# Altium PCB SVPX_FMC_6U_SOM.PcbDoc (part 7 of 9) (continued)
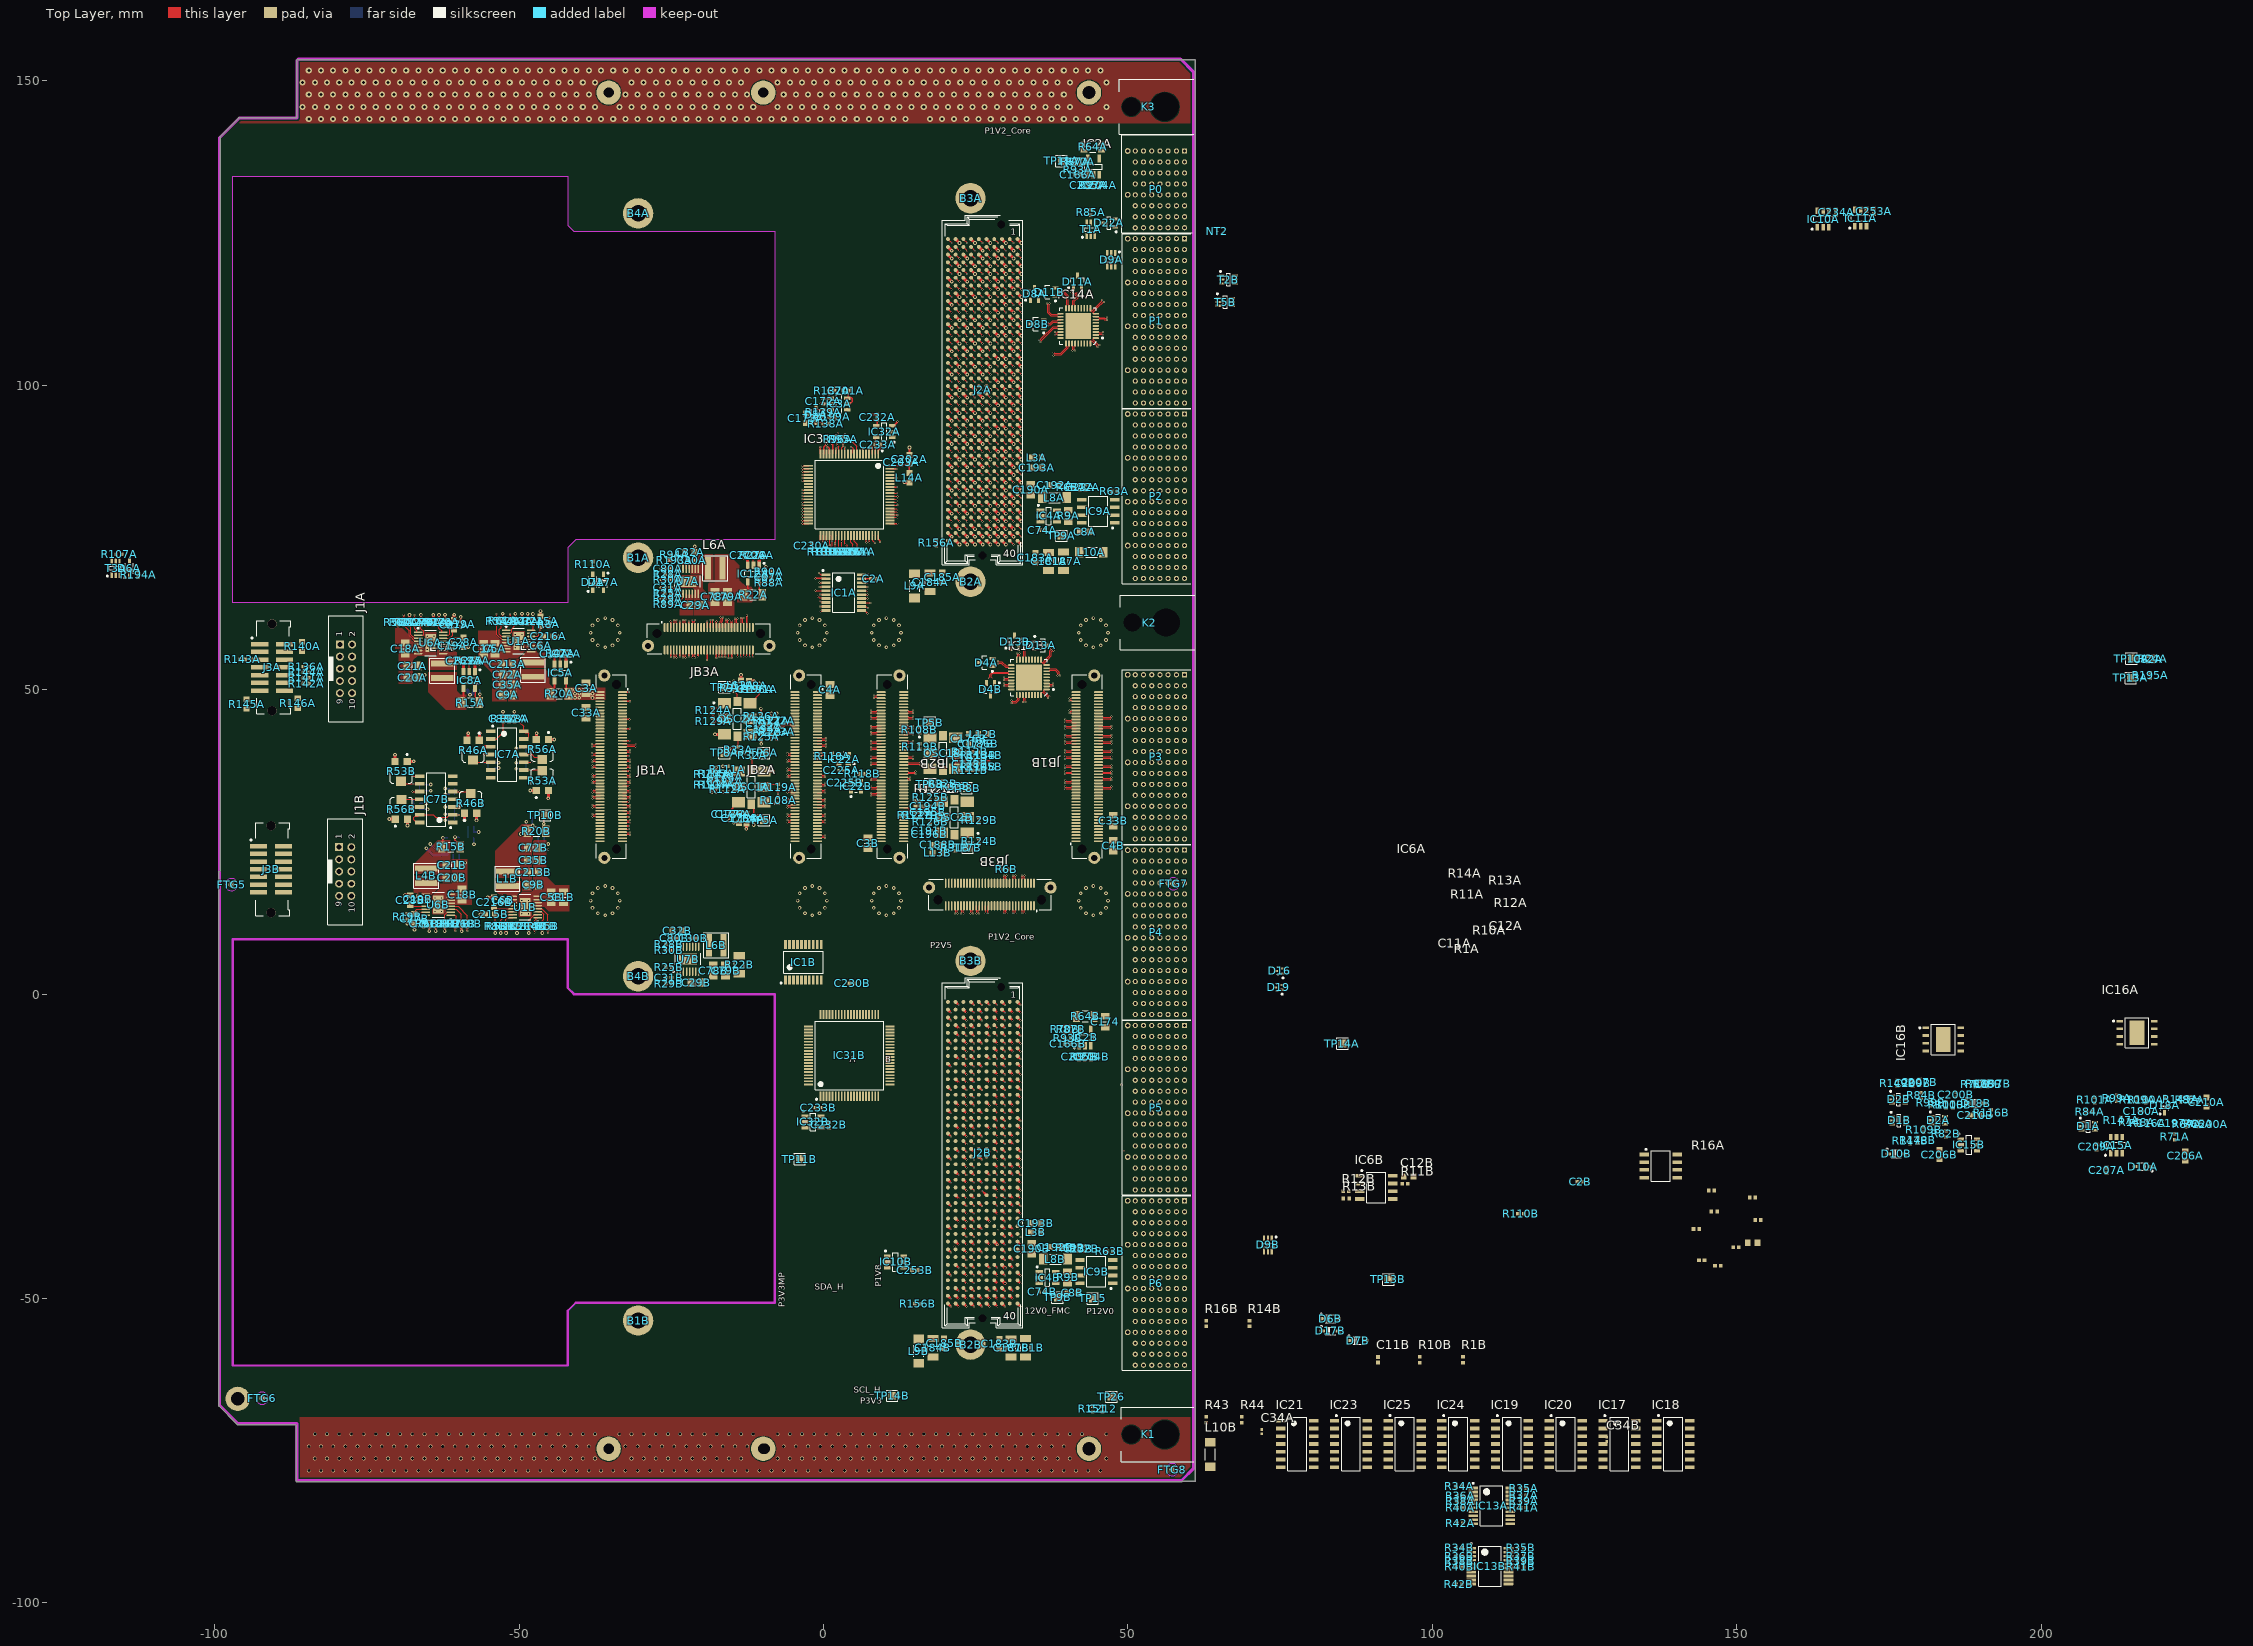
[diagram p0: Top Layer view]
## Nets (pads, with @x,y where several pads share a name; then routed paths per layer and width w, separated by ;. In a path a pad name is that pad's centre, name@x,y a point inside that pad or via, vN(x,y) a via of type N, cw(c..) or ccw(c..) an arc to the next point about the centre after c; other vN are vias at no path point) (continued)
  L1 w0.078: 8.594,64.236 10.718,64.236 13.614,67.132 13.614,69.5 13.748,69.634
LA31B_N: J2B.g34 JB2B.75 | length 105.1
  Top Layer w0.118: v1(7.772,43.64) 7.827,43.64 7.915,43.728 8.715,43.728 8.842,43.6 JB2B.75@9.475,43.6 ; J2B.g34@24.24,-43.198 v4(24.74,-43.698)
  L1 w0.069: v1(7.772,43.64) 7.838,43.64 7.938,43.74 8.431,43.74 8.856,43.315 8.856,30.644 3.083,24.87 3.083,5.522 5.486,3.119 5.486,-28.962 19.697,-43.173 24.7,-43.173 24.74,-43.213 v4(24.74,-43.698)
LA31B_P: J2B.g33 JB2B.77 | length 105.1
  Top Layer w0.118: v1(7.772,44.06) 7.827,44.06 7.915,43.972 8.715,43.972 8.842,44.1 JB2B.77@9.475,44.1 ; J2B.g33@24.24,-41.928 v4(24.74,-42.428)
  L1 w0.069: v1(7.772,44.06) 7.838,44.06 7.938,43.96 8.522,43.96 9.076,43.406 9.076,30.553 3.302,24.779 3.302,5.613 5.706,3.21 5.706,-28.871 19.788,-42.953 24.7,-42.953 24.74,-42.912 v4(24.74,-42.428)
LA32A_N: J2A.h38 JB2A.61 | length 63.4
  Top Layer w0.118: JB2A.61@-1,34.6 -0.367,34.6 -0.24,34.472 0.086,34.472 0.174,34.56 v1(0.228,34.56) ; J2A.h38@22.97,77.001 v1(23.605,76.366)
  L2 w0.069: v1(0.228,34.56) 0.294,34.56 0.394,34.46 1.033,34.46 1.991,35.417 1.991,47.457 8.398,53.864 10.405,53.864 16.662,60.122 16.662,76.383 18.691,78.412 23.889,78.412 24.267,78.033 24.267,77.119 24.039,76.892 23.646,76.892 23.605,76.851 v1(23.605,76.366)
LA32A_P: J2A.h37 JB2A.63 | length 62.7
  Top Layer w0.118: JB2A.63@-1,34.1 -0.367,34.1 -0.24,34.228 0.086,34.228 0.174,34.14 v1(0.228,34.14) ; J2A.h37@22.97,78.271 v1(23.605,77.636)
  L2 w0.069: v1(0.228,34.14) 0.294,34.14 0.394,34.24 1.124,34.24 2.21,35.326 2.21,47.366 8.489,53.645 10.495,53.645 16.882,60.031 16.882,76.292 18.782,78.192 23.798,78.192 24.048,77.942 24.048,77.21 23.948,77.111 23.646,77.111 23.605,77.151 v1(23.605,77.636)
LA32B_N: J2B.h38 JB2B.61 | length 106
  Top Layer w0.118: v1(7.772,40.14) 7.827,40.14 7.915,40.228 8.715,40.228 8.842,40.1 JB2B.61@9.475,40.1 ; J2B.h38@22.97,-48.278 v4(23.47,-48.778)
  L1 w0.069: 19.098,-48.161 19.189,-48.253 23.43,-48.253 23.47,-48.293 v4(23.47,-48.778)
  L2 w0.069: v1(7.772,40.14) 7.838,40.14 7.938,40.24 9.01,40.24 11.846,37.405 11.846,31.385 14.462,28.769 14.462,15.815 17.358,12.919 17.358,-46.09 19.52,-48.252 23.43,-48.252 23.47,-48.293 v4(23.47,-48.778)
LA32B_P: J2B.h37 JB2B.63 | length 105.8
  Top Layer w0.118: v1(7.772,40.56) 7.827,40.56 7.915,40.472 8.715,40.472 8.842,40.6 JB2B.63@9.475,40.6 ; J2B.h37@22.97,-47.008 v4(23.47,-47.508)
  L1 w0.069: 19.253,-48.006 19.28,-48.033 23.43,-48.033 23.47,-47.992 v4(23.47,-47.508)
  L2 w0.069: v1(7.772,40.56) 7.838,40.56 7.938,40.46 9.101,40.46 12.065,37.496 12.065,31.476 14.681,28.86 14.681,15.906 17.577,13.01 17.577,-45.999 19.611,-48.033 23.43,-48.033 23.47,-47.993 v4(23.47,-47.508)
LA33A_N: J2A.g37 JB2A.65 | length 64.5
  Top Layer w0.118: JB2A.65@-1,33.6 -0.367,33.6 -0.24,33.472 0.086,33.472 0.174,33.56 v1(0.228,33.56) ; J2A.g37@24.24,78.271 v1(24.875,77.636)
  L2 w0.069: v1(0.228,33.56) 0.294,33.56 0.394,33.46 1.659,33.46 2.753,34.553 2.753,47.152 8.525,52.924 10.633,52.924 17.551,59.842 17.551,75.215 18.197,75.86 25.162,75.86 25.432,76.13 25.432,76.662 ; v1(24.875,77.636) 24.875,78.121 24.916,78.162 25.242,78.162 25.432,77.972 25.432,77.34 ; 25.433,76.663 25.433,77.34
LA33A_P: J2A.g36 JB2A.67 | length 65.2
  Top Layer w0.118: JB2A.67@-1,33.1 -0.367,33.1 -0.24,33.228 0.086,33.228 0.174,33.14 v1(0.228,33.14) ; J2A.g36@24.24,79.541 v1(24.875,78.906)
  L2 w0.069: v1(0.228,33.14) 0.294,33.14 0.394,33.24 1.75,33.24 2.972,34.463 2.972,47.061 8.616,52.705 10.724,52.705 17.771,59.752 17.771,75.124 18.288,75.641 25.253,75.641 25.651,76.039 25.651,76.571 ; v1(24.875,78.906) 24.875,78.421 24.916,78.381 25.333,78.381 25.651,78.063 25.651,77.431 ; 25.652,76.572 25.652,77.43
LA33B_N: J2B.g37 JB2B.65 | length 107.9
  Top Layer w0.118: v1(7.772,41.14) 7.827,41.14 7.915,41.228 8.715,41.228 8.842,41.1 JB2B.65@9.475,41.1 ; J2B.g37@24.24,-47.008 v4(24.74,-47.508)
  L1 w0.069: 19.329,-46.983 24.7,-46.983 24.74,-47.023 v4(24.74,-47.508)
  L2 w0.069: v1(7.772,41.14) 7.838,41.14 7.938,41.24 9.645,41.24 12.506,38.379 12.506,32.02 15.427,29.099 15.427,16.424 18.45,13.402 18.45,-45.201 20.231,-46.982 24.7,-46.982 24.74,-47.023 v4(24.74,-47.508)
LA33B_P: J2B.g36 JB2B.67 | length 107.9
  Top Layer w0.118: v1(7.772,41.56) 7.827,41.56 7.915,41.472 8.715,41.472 8.842,41.6 JB2B.67@9.475,41.6 ; J2B.g36@24.24,-45.738 v4(24.74,-46.238)
  L1 w0.069: 19.329,-46.763 24.7,-46.763 24.74,-46.722 v4(24.74,-46.238)
  L2 w0.069: v1(7.772,41.56) 7.838,41.56 7.938,41.46 9.735,41.46 12.725,38.47 12.725,32.111 15.646,29.19 15.646,16.515 18.669,13.493 18.669,4.416 18.669,-45.11 20.322,-46.763 24.7,-46.763 24.74,-46.723 v4(24.74,-46.238)
LVDS_SW_SELA: IC14A.27 IC31B.12
LVDS_SW_SELB: IC14B.27 IC31A.12 | length 1.1
  Top Layer w0.127: IC31A.12@3.5,88.725 3.528,88.753 3.528,89.761 v1(3.556,89.789)
M_DCXOA_N: C182A.1 OSC1A.5 R112A.2 | length 3.8
  Top Layer w0.118: C182A.1@-15.774,34.85 -15.484,35.141 -14.57,35.141 -14.543,35.168 -14.035,35.168 -13.966,35.099 OSC1A.5@-13.966,34.02 ; R112A.2@-15.773,34.074 C182A.1@-15.774,34.85
M_DCXOA_P: C178A.1 OSC1A.4 R111A.2 | length 3.9
  Top Layer w0.118: C178A.1@-15.774,35.675 -15.484,35.385 -14.672,35.385 -14.645,35.413 -14.035,35.413 -13.966,35.482 OSC1A.4@-13.966,36.56 ; C178A.1@-15.774,35.675 R111A.2@-15.773,36.487
M_DCXOB_N: C182B.1 OSC1B.5 R112B.2 | length 4.2
  Top Layer w0.118: OSC1B.5@21.725,39.575 21.725,38.496 21.794,38.427 22.757,38.427 22.787,38.397 23.255,38.397 23.324,38.466 23.324,38.524 C182B.1@23.575,38.775 23.555,38.795 R112B.2@23.555,39.775
M_DCXOB_P: C178B.1 OSC1B.4 R111B.2 | length 4.2
  Top Layer w0.118: OSC1B.4@21.725,37.035 21.725,38.114 21.794,38.183 22.656,38.183 22.686,38.153 23.255,38.153 23.324,38.084 23.324,38.026 C178B.1@23.575,37.775 23.555,37.755 R111B.2@23.555,36.775
Main_DCXO_OEA: JB3A.54 R108A.1 R119A.1 | length 2.3
  Top Layer w0.127: v1(-13.1,55.397) JB3A.54@-13.1,56.5 ; R108A.1@-7.468,32.296 v1(-7.468,32.893) R119A.1@-7.468,33.515
Main_DCXO_OEB: JB3B.54 R108B.1 R119B.1
Main_DCXO_SCLA: JB3A.52 OSC1A.8 R32A.1 R103A.1 TP6A.1 | length 5.3
  Top Layer w0.127: JB3A.52@-13.6,56.5 -13.58,56.48 -13.58,55.417 v1(-13.56,55.397) ; OSC1A.8@-11.866,36.873 -11.725,37.014 R32A.1@-11.725,38.68 ; R32A.1@-11.735,38.748 -10.619,38.748 TP6A.1@-9.766,39.6
Main_DCXO_SCLB: JB3B.52 OSC1B.8 R32B.1 R103B.1 TP6B.1
Main_DCXO_SDAA: JB3A.50 OSC1A.7 R6A.1 R98A.1 TP5A.1 | length 5.1
  Top Layer w0.127: v1(-14.14,55.397) -14.12,55.417 -14.12,56.48 JB3A.50@-14.1,56.5
  Top Layer w0.254: OSC1A.7@-11.866,31.168 -11.45,30.752 R6A.1@-11.45,29.37 -10.581,29.37 TP5A.1@-9.766,28.555
Main_DCXO_SDAB: JB3B.50 OSC1B.7 R6B.1 R98B.1 TP5B.1
Main_DCXOA_N: C182A.2 JB2A.58 R104A.1 R113A.2 | length 17.8
  Top Layer w0.118: v1(-19.075,35.043) -19.021,35.043 -18.933,35.131 -18.654,35.131 -18.369,34.845 R113A.2@-18.349,34.845 -18.329,34.845 -18.061,35.114 -18.061,35.131 -17.862,35.131 -17.862,35.119 -17.594,34.85 R104A.1@-17.574,34.85 -17.554,34.85 -17.261,35.143 -16.967,35.143 C182A.2@-16.674,34.85 ; v1(-5.893,35.64) -5.838,35.64 -5.75,35.728 -5.46,35.728 -5.333,35.6 JB2A.58@-4.7,35.6
  L4 w0.078: v1(-19.075,35.043) -19.01,35.043 -18.914,35.139 -15.458,35.139 -14.861,35.736 -6.054,35.736 -5.958,35.64 v1(-5.893,35.64)
Main_DCXOA_P: C178A.2 JB2A.56 R105A.1 R114A.2 | length 17.9
  Top Layer w0.118: v1(-19.075,35.463) -19.021,35.463 -18.933,35.375 -18.654,35.375 -18.369,35.66 R114A.2@-18.349,35.66 -18.329,35.66 -18.061,35.392 -18.061,35.375 -17.862,35.375 -17.825,35.413 -17.825,35.449 -17.594,35.68 R105A.1@-17.574,35.68 -17.554,35.68 -17.261,35.388 -16.962,35.388 C178A.2@-16.674,35.675 ; v1(-5.893,36.06) -5.838,36.06 -5.75,35.972 -5.46,35.972 -5.333,36.1 JB2A.56@-4.7,36.1
  L4 w0.078: v1(-19.075,35.463) -19.01,35.463 -18.914,35.367 -15.552,35.367 -14.955,35.964 -6.054,35.964 -5.958,36.06 v1(-5.893,36.06)
Main_DCXOB_N: C182B.2 JB2B.58 R104B.1 R113B.2 | length 18.4
  Top Layer w0.118: JB2B.58@13.175,39.1 13.808,39.1 13.935,38.972 14.102,38.972 14.539,38.972 14.626,39.06 v1(14.681,39.06) ; C182B.2@24.475,38.775 24.726,38.524 24.726,38.466 24.795,38.397 25.13,38.397 25.199,38.466 25.199,38.524 25.43,38.755 R113B.2@25.45,38.755 25.47,38.755 25.701,38.524 25.701,38.466 25.77,38.397 26.105,38.397 26.174,38.466 26.174,38.524 26.405,38.755 R104B.1@26.425,38.755 26.445,38.755 26.676,38.524 26.676,38.466 26.745,38.397 27.188,38.397 27.276,38.485 v1(27.33,38.485)
  L4 w0.078: v1(14.681,39.06) 14.747,39.06 14.842,38.964 20.134,38.964 20.709,38.389 27.169,38.389 27.265,38.485 v1(27.33,38.485)
Main_DCXOB_P: C178B.2 JB2B.56 R105B.1 R114B.2 | length 18.4
  Top Layer w0.118: JB2B.56@13.175,38.6 13.808,38.6 13.935,38.728 14.203,38.728 14.539,38.728 14.626,38.64 v1(14.681,38.64) ; C178B.2@24.475,37.775 24.726,38.026 24.726,38.084 24.795,38.153 25.13,38.153 25.199,38.084 25.199,38.026 25.43,37.795 R114B.2@25.45,37.795 25.47,37.795 25.701,38.026 25.701,38.084 25.77,38.153 26.105,38.153 26.174,38.084 26.174,38.026 26.405,37.795 R105B.1@26.425,37.795 26.445,37.795 26.676,38.026 26.676,38.084 26.745,38.153 27.188,38.153 27.276,38.065 v1(27.33,38.065)
  L4 w0.078: v1(14.681,38.64) 14.747,38.64 14.842,38.736 20.04,38.736 20.615,38.161 27.169,38.161 27.265,38.065 v1(27.33,38.065)
MAIN_PWR.P2V5A: C2A.1 C33A.1 C225A.2 IC1A.19 IC8A.5 IC13A.2 IC22A.1 IC22A.4 JB1A.10 JB1A.12 JB2A.2 JB2A.4 JB2A.6 JB2A.8 JB2A.10 L9A.1 R6A.2 R15A.2 R31A.2 R32A.2 R33A.2 R34A.1 R36A.1 R38A.1 R40A.1 R79A.1 R104A.2 R105A.2 R122A.2 R123A.2 TP13A.1 | length 13.4
  Top Layer w0.254: IC8A.5@-57.225,50.212 -57.225,48.826 -57.076,48.677 -57.012,48.677 -56.514,48.179 R15A.2@-56.514,47.879 -56.439,47.954 v2(-56.439,49.251) ; v2(-17.602,33.172) -17.588,33.186 -17.588,33.896 R104A.2@-17.574,33.91 ; v2(-17.602,37.262) -17.602,36.649 R105A.2@-17.574,36.62 ; v2(-14.757,51.384) -14.704,51.331 -14.704,50.724 R31A.2@-14.65,50.67 ; R33A.2@-14.021,39.687 v2(-12.941,39.687) ; v2@-12.941,39.688 R32A.2@-11.735,39.688 ; v2(-11.481,27.762) -11.465,27.778 -11.465,28.415 R6A.2@-11.45,28.43 ; R123A.2@-7.7,42.58 -7.698,42.578 -7.698,41.886 v2(-7.696,41.885) ; R122A.2@-7.7,45.345 -7.698,45.347 v2(-7.696,46.101) v2(-7.696,46.101) ; IC1A.19@6.212,68.205 C2A.1@7.762,68.205 7.754,68.197 7.754,67.724 v1(7.747,67.716)
  Bottom Layer w0.254: v2(-56.439,49.251) R79A.1@-56.439,49.949
MAIN_PWR.P2V5B: C2B.1 C33B.1 C225B.2 IC1B.19 IC8B.5 IC13B.2 IC22B.1 IC22B.4 JB1B.10 JB1B.12 JB2B.2 JB2B.4 JB2B.6 JB2B.8 JB2B.10 L9B.1 R6B.2 R15B.2 R31B.2 R32B.2 R33B.2 R34B.1 R36B.1 R38B.1 R40B.1 R79B.1 R104B.2 R105B.2 R122B.2 R123B.2 TP13B.1 | length 3.8
  Top Layer w0.254: v2(-60.528,25.781) -60.528,25.295 -59.689,24.455 R15B.2@-59.689,24.155
  Bottom Layer w0.254: v2(-60.528,25.781) -59.93,25.781 IC8B.5@-59.832,25.683 ; R79B.1@-57.417,25.705 -57.417,24.625 v2(-57.404,24.613)
MAIN_PWR.P3V3A: C34B.1 D1A.5 D2A.5 IC12A.5 IC14B.35 IC17.5 IC17.6 IC17.12 IC17.13 IC19.5 IC19.6 IC19.12 IC19.13 IC21.5 IC21.6 IC21.12 IC21.13 IC24.5 IC24.13 JB1A.14 JB1A.16 JB2A.9 JB2A.11 L3A.1 L10A.1 L12A.1 L13A.1 R14A.2 R16A.2 R22A.2 R35A.2 R37A.2 R39A.2 R41A.2 R42A.2 R43.2 R81A.1 R83A.1 R86A.1 R88A.2 R110A.2 R116A.2 TP14A.1 | length 5.2
  Top Layer w0.254: IC12A.5@-10.55,67.7 IC12A.5@-10.55,67.55 ; R22A.2@-10.075,65.575 -10.55,66.05 IC12A.5@-10.55,67.55 ; R88A.2@-9.47,67.55 IC12A.5@-10.55,67.55
  Top Layer w0.5: L13A.1@-13.575,51.5 -13.556,51.518 -13.556,52.407 v2(-13.538,52.426) ; v2@-12.674,27.127 L12A.1@-12.674,28
  other v2: -12.675,27.127
MAIN_PWR.P3V3B: C34A.1 D1B.5 D2B.5 IC12B.5 IC14A.35 IC18.5 IC18.6 IC18.12 IC18.13 IC20.5 IC20.6 IC20.12 IC20.13 IC23.5 IC23.6 IC23.12 IC23.13 IC25.5 IC25.13 JB1B.14 JB1B.16 JB2B.9 JB2B.11 L3B.1 L10B.1 L12B.1 L13B.1 R14B.2 R16B.2 R22B.2 R35B.2 R37B.2 R39B.2 R41B.2 R42B.2 R44.2 R81B.1 R83B.1 R86B.1 R88B.2 R110B.2 R116B.2 TP14B.1
  other v4: 28.625,-38.775
MAIN_PWR.P3V3MPA: C201A.2 C230A.1 C232A.2 C234A.2 C253A.2 D9A.5 IC1A.2 IC2A.5 IC3A.5 IC3A.6 IC10A.4 IC11A.4 IC13A.19 IC31A.20 IC31A.40 IC31A.61 IC32A.3 IC32A.4 L14A.1 R11A.1 R64A.2 R70A.2 R87A.1 R95A.2 R96A.2 R130A.2 R131A.2 R132A.2 R133A.2 R134A.2 R135A.2 R137A.2 R138A.2 R139A.2 R140A.2 R160A.1 R161A.1 TP11A.1 | length 16
  Top Layer w0.254: v1(-3.48,77.267) -3.476,77.271 -2.454,77.271 IC31A.40@-2.45,77.275 ; v1(-1.346,68.275) -1.334,68.263 0.354,68.263 IC1A.2@0.412,68.205 ; v1(-0.508,89.865) -0.504,89.861 -0.504,88.729 IC31A.20@-0.5,88.725 ; v1(-0.127,94.539) -0.114,94.551 -0.114,94.941 R139A.2@0,95.055 ; R138A.2@0.87,93.675 v1(1.473,93.675) ; R137A.2@1.845,99.1 1.854,99.109 v1(1.854,99.67) ; v1(2.337,92.126) 2.349,92.113 2.349,91.567 R96A.2@2.362,91.554 ; R95A.2@3.251,91.554 3.271,91.554 3.434,91.717 3.434,91.91 3.531,92.006 v1(3.531,92.024) ; IC3A.5@3.88,96.93 4.053,97.103 4.52,97.103 4.75,97.333 4.75,97.807 4.601,97.956 IC3A.6@4.003,97.956 ; IC3A.6@3.88,97.88 3.956,97.956 IC3A.6@4.003,97.956 ; v1(4.572,99.466) 4.559,99.454 4.429,99.454 C201A.2@4.1,99.125 4.1,98.053 IC3A.6@4.003,97.956 ; v1(8.28,94.285) 8.29,94.276 8.83,94.276 C232A.2@8.839,94.267 8.839,93.487 IC32A.4@8.682,93.33 ; IC31A.61@10.95,77.275 10.971,77.254 12.129,77.254 v1(12.141,77.241) ; IC32A.3@11.282,93.33 11.532,93.33 12.129,93.926 12.129,94.018 v1(12.141,94.031)
  Top Layer w0.5: v2(13.284,84.074) 13.303,84.055 14.045,84.055 L14A.1@14.1,84
MAIN_PWR.P3V3MPB: C201B.2 C230B.1 C232B.2 C234B.2 C253B.2 D9B.5 IC1B.2 IC2B.5 IC3B.5 IC3B.6 IC10B.4 IC11B.4 IC13B.19 IC31B.20 IC31B.40 IC31B.61 IC32B.3 IC32B.4 L14B.1 R11B.1 R64B.2 R70B.2 R87B.1 R95B.2 R96B.2 R130B.2 R131B.2 R132B.2 R133B.2 R134B.2 R135B.2 R137B.2 R138B.2 R139B.2 R140B.2 R160B.1 R161B.1 TP11B.1
MAIN_PWR.P5V0A: C3A.1 C4A.2 C209A.2 IC5A.5 IC15A.5 IC15A.6 JB1A.2 JB1A.4 JB1A.6 JB2A.1 JB2A.3 JB2A.5 JB2A.7 R20A.2 R24A.2 R147A.2 R148A.2 R149A.2 TP10A.1 | length 2.3
  Top Layer w0.254: IC5A.5@-42.281,51.457 -42.281,49.732 R20A.2@-41.875,49.326
  other v2: -37.928,48.641 -40.818,48.666 -40.107,48.666 -40.818,49.327 -40.107,49.327 -37.928,49.327 -40.818,49.987 -40.107,49.987 -37.928,49.987
MAIN_PWR.P5V0B: C3B.1 C4B.2 C209B.2 IC5B.5 IC15B.5 IC15B.6 JB1B.2 JB1B.4 JB1B.6 JB2B.1 JB2B.3 JB2B.5 JB2B.7 R20B.2 R24B.2 R147B.2 R148B.2 R149B.2 TP10B.1 | length 3.8
  Top Layer w0.254: TP10B.1@-45.695,29.362 -45.949,29.108 v2(-45.949,27.965) -45.949,27.027 R20B.2@-45.642,26.721
  Bottom Layer w0.254: v2(-45.949,27.965) -45.933,27.981 -45.933,28.908 IC5B.5@-45.917,28.924
MAIN_PWR_ONA: IC6A.4 R13A.2
MAIN_PWR_ONB: IC6B.4 R13B.2
"Maskable Reset*_13": P1.G15
MCU_SPI.MISOA: IC1A.1 IC31A.66 | length 21.6
  Top Layer w0.127: v1(-0.711,69.139) -0.463,68.891 0.376,68.891 IC1A.1@0.412,68.855 ; IC31A.66@10.95,79.775 11.02,79.705 v1(12.116,79.705)
  L3 w0.127: v1(-0.711,69.139) 4.928,69.139 11.163,75.374 11.163,78.753 v1(12.116,79.705)
MCU_SPI.MISOB: IC1B.1 IC31B.66
MCU_SPI.MOSIA: IC1A.3 IC31A.65 | length 21.9
  Top Layer w0.127: v1(-0.635,67.589) 0.377,67.589 IC1A.3@0.412,67.555 ; IC31A.65@10.95,79.275 10.977,79.248 v1(12.116,79.248)
  L3 w0.127: v1(-0.635,67.589) 3.962,67.589 11.612,75.239 11.612,78.783 11.73,78.919 11.732,78.921 11.738,78.928 11.746,78.936 v1(12.116,79.248)
MCU_SPI.MOSIB: IC1B.3 IC31B.65
MCU_SPI.SCKA: IC1A.4 IC31A.67 | length 23.8
  Top Layer w0.127: v1(-0.635,66.878) 0.385,66.878 IC1A.4@0.412,66.905 ; IC31A.67@10.95,80.275 10.97,80.295 12.121,80.295 v1(12.141,80.315)
  L3 w0.127: v1(-0.635,66.878) 3.734,66.878 12.465,75.609 12.465,79.991 v1(12.141,80.315)
MCU_SPI.SCKB: IC1B.4 IC31B.67
MCU_SPI.SSA: IC1A.5 IC31A.68 | length 26.6
  Top Layer w0.086: IC31A.68@10.95,80.775 10.978,80.747 v1(12.116,80.747)
  Top Layer w0.127: v1(-1.321,66.269) 0.324,66.269 0.375,66.218 IC1A.5@0.412,66.255
  L3 w0.127: v1(-1.321,66.269) 3.607,66.269 12.929,75.59 12.929,79.985 12.167,80.747 v1(12.116,80.747)
MCU_SPI.SSB: IC1B.5 IC31B.68
MISC.PG_C2MA: J2A.d1 JB1A.91 | length 1.9
  Top Layer w0.127: JB1A.91@-33,27.1 -32.999,27.101 v1(-31.979,27.102) v1(-31.979,27.102) ; J2A.d1@28.05,123.991 v1(28.685,123.356)
MISC.PG_C2MB: J2B.d1 JB1B.91 | length 0.7
  Top Layer w0.254: J2B.d1@28.05,-1.288 v4(28.55,-1.788)
MISC.PG_M2CA: J2A.f1 JB1A.99 | length 0.9
  Top Layer w0.127: J2A.f1@25.51,123.991 v1(26.145,123.356)
MISC.PG_M2CB: J2B.f1 JB1B.99 | length 0.7
  Top Layer w0.254: J2B.f1@25.51,-1.288 v4(26.01,-1.788)
MISC.PRSNT_M2C_LA: JB1A.97
MISC.PRSNT_M2C_LB: JB1B.97
MISC.PRSNTA: J2A.h2 | length 0.9
  Top Layer w0.127: J2A.h2@22.97,122.721 v1(23.605,122.086)
MISC.PRSNTB: J2B.h2 | length 0.7
  Top Layer w0.254: J2B.h2@22.97,-2.558 v4(23.47,-3.058)
NetC6A_1: C6A.1 U1A.12 | length 1.6
  Top Layer w0.127: U1A.12@-48.009,57.728 -46.534,57.728 C6A.1@-46.434,57.628
NetC6A_2: C6A.2 L1A.1 U1A.9 U1A.10 U1A.11
NetC6B_1: C6B.1 U1B.12 | length 1.8
  Top Layer w0.127: C6B.1@-52.705,14.968 -52.267,14.53 U1B.12@-51.05,14.53
NetC6B_2: C6B.2 L1B.1 U1B.9 U1B.10 U1B.11
NetC7A_1: C7A.1 R2A.1 R7A.2 U1A.16 | length 3.1
  Top Layer w0.127: R7A.2@-49.509,60.758 R2A.1@-47.709,60.758 -47.709,60.028 -47.768,59.97 -47.768,59.785 -47.825,59.728 U1A.16@-48.009,59.728
NetC7B_1: C7B.1 R2B.1 R7B.2 U1B.16 | length 3.7
  Top Layer w0.127: U1B.16@-51.05,12.53 -51.935,12.53 -52.146,12.319 R2B.1@-52.146,11.646 R7B.2@-50.343,11.646
NetC8A_2: C8A.2 IC4A.4 IC9A.8 R9A.1 TP9A.1
NetC8B_2: C8B.2 IC4B.4 IC9B.8 R9B.1 TP9B.1
NetC19A_1: C19A.1 U6A.12 | length 1.6
  Top Layer w0.127: U6A.12@-62.476,57.427 -61.173,57.427 C19A.1@-60.95,57.65
NetC19A_2: C19A.2 L4A.1 U6A.9 U6A.10 U6A.11
NetC19B_1: C19B.1 U6B.12 | length 1.4
  Top Layer w0.127: C19B.1@-66.617,15.152 -66.392,14.927 U6B.12@-65.317,14.927
NetC19B_2: C19B.2 L4B.1 U6B.9 U6B.10 U6B.11
NetC20A_2: C20A.2 C21A.2 C76A.2 IC8A.4 L4A.2 R15A.1 R91A.2 | length 14.2
  Top Layer w0.254: C76A.2@-65.125,61.525 -65.105,61.545 R91A.2@-64.077,61.545 ; IC8A.4@-59.125,50.212 -59.125,48.939 -59.08,48.895
  Top Layer w0.5: v2(-64.084,62.281) -64.079,62.275 R91A.2@-64.077,61.545 R91A.2@-64.077,61.545
  L1 w0.5: v2(-65.507,52.4) -65.483,52.4 -65.456,52.427 -65.532,52.503 -65.532,53.924 -66.218,54.61 -66.218,59.157 -64.084,61.29 v2(-64.084,62.281)
NetC20B_2: C20B.2 C21B.2 C76B.2 IC8B.4 L4B.2 R15B.1 R91B.2 | length 4.1
  Top Layer w0.254: C76B.2@-65.667,11.077 -65.647,11.057 R91B.2@-64.692,11.057 -64.718,11.031 -64.718,10.364 v2(-64.745,10.338) ; R15B.1@-62.689,24.155 -62.509,24.335 v2(-62.509,25.654)
  Bottom Layer w0.254: v2@-62.509,25.654 -61.761,25.654 IC8B.4@-61.732,25.683
NetC24A_2: C24A.2 U6A.2 | length 2.7
  Top Layer w0.127: U6A.2@-66.576,58.927 -65.762,58.927 -65.687,59.002 -65.687,59.566 -66.125,60.004 C24A.2@-66.125,60.625
NetC24B_2: C24B.2 U6B.2 | length 2.2
  Top Layer w0.127: C24B.2@-62.217,11.977 -62.217,13.018 -61.807,13.427 U6B.2@-61.217,13.427
NetC27A_2: C27A.2 R19A.1 U6A.14 | length 4.1
  Top Layer w0.127: U6A.14@-62.476,58.427 -61.425,58.427 -60.925,58.927 -60.925,59.636 C27A.2@-60.681,59.881 -60.304,60.257 R19A.1@-59.575,60.257
NetC27B_2: C27B.2 R19B.1 U6B.14 | length 3.7
  Top Layer w0.127: R19B.1@-68.402,13.424 -68.176,13.197 -68.109,13.197 -68.081,13.17 C27B.2@-67.208,13.17 -66.986,13.393 -66.986,13.761 -66.819,13.927 U6B.14@-65.317,13.927
NetC28A_2: C28A.2 U6A.13 | length 3.6
  Top Layer w0.127: U6A.13@-62.476,57.927 -61.559,57.927 -61.338,58.148 -61.046,58.148 -60.619,58.575 C28A.2@-59.15,58.575
NetC28B_2: C28B.2 U6B.13 | length 2.6
  Top Layer w0.127: C28B.2@-67.867,14.627 -67.667,14.427 U6B.13@-65.317,14.427
NetC30A_1: C30A.1 U7A.12 | length 1.4
  Top Layer w0.203: C30A.1@-22.1,71.25 -22.075,71.225 U7A.12@-22.075,69.825
NetC30A_2: C30A.2 L6A.1 U7A.9 U7A.10 U7A.11
NetC30B_1: C30B.1 U7B.12
NetC30B_2: C30B.2 L6B.1 U7B.9 U7B.10 U7B.11
NetC31A_2: C31A.2 U7A.2 | length 2.3
  Top Layer w0.203: C31A.2@-25.125,66.725 -25.052,66.652 -23.929,66.652 -23.723,66.446 -23.723,66.442 -23.575,66.294 U7A.2@-23.575,65.725
NetC31B_2: C31B.2 U7B.2
NetC32A_2: C32A.2 U7A.13 | length 2.8
  Top Layer w0.203: C32A.2@-22.775,72.57 -22.637,72.432 -22.637,70.474 -22.575,70.413 U7A.13@-22.575,69.825
NetC32B_2: C32B.2 U7B.13
NetC76A_1: C76A.1 R18A.2 R91A.1 U6A.16 | length 3.5
  Top Layer w0.127: C76A.1@-65.125,60.625 -64.097,60.625 R91A.1@-64.077,60.605 R18A.2@-63.15,60.605 -63.15,60.102 -62.717,59.668 -62.717,59.484 -62.66,59.427 U6A.16@-62.476,59.427
NetC76B_1: C76B.1 R18B.2 R91B.1 U6B.16 | length 3.2
  Top Layer w0.127: U6B.16@-65.317,12.927 -65.501,12.927 -65.558,12.871 -65.558,12.686 -65.667,12.577 C76B.1@-65.667,11.977 -65.647,11.997 R91B.1@-64.692,11.997 R18B.2@-63.717,11.997
NetC80A_1: C80A.1 R28A.1 R30A.2 U7A.16 | length 3.6
  Top Layer w0.203: C80A.1@-25.1,69.875 -25.08,69.855 R28A.1@-25.08,68.975 ; R30A.2@-25.08,68.05 R28A.1@-25.08,68.975 ; U7A.16@-24.075,69.825 -24.084,69.816 -24.084,69.094 -24.203,68.975 R28A.1@-25.08,68.975
NetC80B_1: C80B.1 R28B.1 R30B.2 U7B.16
NetC173A_1: C173A.1 D5A.1 R138A.1 | length 2.9
  Top Layer w0.127: C173A.1@-2.875,93.825 -1.3,93.825 D5A.1@-1.25,93.875 -0.27,93.875 R138A.1@-0.07,93.675
NetC173B_1: C173B.1 D5B.1 R138B.1
NetC175A_2: C175A.2 R86A.2 R98A.2 R103A.2 R120A.2 R121A.2
NetC175B_2: C175B.2 R86B.2 R98B.2 R103B.2 R120B.2 R121B.2
NetC176A_2: C176A.2 C177A.2 C186A.2 L12A.2 OSC1A.6 | length 5.3
  Top Layer w0.254: OSC1A.6@-13.966,31.48 -14.191,31.48 -14.914,30.757 -14.914,30.532 -15.376,30.07 -15.376,29.923 C177A.2@-15.449,29.85 C186A.2@-14.824,29.85 -14.824,29.825 -14.751,29.752 -14.726,29.752 -14.601,29.627 -13.901,29.627 C176A.2@-13.874,29.6 L12A.2@-12.674,29.6
NetC176B_2: C176B.2 C177B.2 C186B.2 L12B.2 OSC1B.6
NetC188A_2: C188A.2 C191A.2 C196A.2 L13A.2 OSC2A.6 | length 5.8
  Top Layer w0.254: L13A.2@-13.575,49.9 -12.25,49.9 C188A.2@-12.225,49.925 -12.025,49.725 C196A.2@-11.2,49.725 C191A.2@-10.575,49.725 -10.575,49.211 -11.092,48.693 -11.092,48.468 -11.815,47.745 OSC2A.6@-12.04,47.745
NetC188B_2: C188B.2 C191B.2 C196B.2 L13B.2 OSC2B.6
NetC199A_2: C199A.2 D5A.2 IC3A.3 R139A.1 | length 4
  Top Layer w0.127: D5A.2@-1.25,96.475 -1.25,96.275 -1.064,96.088 -0.594,96.088 -0.5,95.995 R139A.1@0,95.995 0.015,95.98 IC3A.3@1.18,95.98 1.18,95.005 C199A.2@0.975,94.8
NetC199B_2: C199B.2 D5B.2 IC3B.3 R139B.1
NetC202A_2: C202A.2 C203A.2 IC31A.80 L14A.2 | length 4.7
  Top Layer w0.254: IC31A.80@10.95,86.775 10.973,86.798 12.648,86.798 C203A.2@12.775,86.925 13.975,86.925 C202A.2@14.1,87.05 L14A.2@14.1,85.6
NetC202B_2: C202B.2 C203B.2 IC31B.80 L14B.2
NetC206A_1: C206A.1 D10A.1 R147A.1
NetC206B_1: C206B.1 D10B.1 R147B.1
NetC207A_2: C207A.2 D10A.2 D18A.2 IC15A.3 R148A.1
NetC207B_2: C207B.2 D10B.2 D18B.2 IC15B.3 R148B.1
NetC210A_1: C210A.1 D18A.1 R149A.1
NetC210B_1: C210B.1 D18B.1 R149B.1
NetC214A_2: C214A.2 U1A.2 | length 2.6
  Top Layer w0.127: U1A.2@-52.109,59.228 -51.501,59.228 -51.439,59.29 -51.429,59.29 -51.221,59.498 -51.221,59.93 -50.773,60.377 -50.773,60.639 C214A.2@-50.609,60.803
NetC214B_2: C214B.2 U1B.2 | length 2.3
  Top Layer w0.127: C214B.2@-48.387,11.601 -48.387,12.141 -47.498,13.03 U1B.2@-46.95,13.03
NetC215A_2: C215A.2 R8A.1 U1A.14 | length 4.4
  Top Layer w0.127: U1A.14@-48.009,58.728 -46.961,58.728 -46.768,58.921 -46.768,59.404 -46.533,59.639 -46.533,60.38 C215A.2@-46.484,60.428 -45.304,60.428 R8A.1@-45.109,60.233
NetC215B_2: C215B.2 R8B.1 U1B.14 | length 4.5
  Top Layer w0.127: C215B.2@-53.937,13.081 C215B.2@-53.835,12.979 ; R8B.1@-53.899,11.621 -53.899,12.916 C215B.2@-53.835,12.979 ; U1B.14@-51.05,13.53 -52.408,13.53 -52.959,12.979 C215B.2@-53.835,12.979
NetC216A_2: C216A.2 U1A.13 | length 2.2
  Top Layer w0.127: U1A.13@-48.009,58.228 -46.484,58.228 -46.421,58.292 -46.396,58.292 -45.984,58.703 C216A.2@-45.984,58.728
NetC216B_2: C216B.2 U1B.13 | length 3.2
  Top Layer w0.127: C216B.2@-54.102,14.288 -53.844,14.03 U1B.13@-51.05,14.03
NetD4A_3: D4A.3 T5A.6
NetD4B_3: D4B.3 T5B.6
NetD6A_2: D6A.2 D7A.1 D17A.2 R107A.2 T3A.5
NetD6B_2: D6B.2 D7B.1 D17B.2 R107B.2 T3B.5
NetD8A_3: D8A.3 T2A.6
NetD8B_3: D8B.3 T2B.6
NetD11A_3: D11A.3 T5A.3
NetD11B_3: D11B.3 T5B.3
NetD13A_3: D13A.3 T2A.3
NetD13B_3: D13B.3 T2B.3
NetD20A_1: D20A.1 J3A.13 R145A.1
NetD20A_2: D20A.2 J3A.14 R146A.1
NetD20B_1: D20B.1 J3B.13 R145B.1
NetD20B_2: D20B.2 J3B.14 R146B.1
NetD22A_3: D22A.3 T1A.6
NetD22B_3: D22B.3 T1B.6
NetD23A_3: D23A.3 T1A.3
NetD23B_3: D23B.3 T1B.3
NetIC2A_2: IC2A.2 R97A.2
NetIC2B_2: IC2B.2 R97B.2
NetIC4A_2: IC4A.2 R45A.2
NetIC4A_5: IC4A.5 L8A.1 R9A.2 R65A.1
NetIC4B_2: IC4B.2 R45B.2
NetIC4B_5: IC4B.5 L8B.1 R9B.2 R65B.1
NetIC5A_2: IC5A.2 R47A.2 | length 1.3
  Top Layer w0.127: IC5A.2@-43.231,54.157 R47A.2@-43.231,55.486
NetIC5B_2: IC5B.2 R47B.2 | length 1.6
  Bottom Layer w0.254: R47B.2@-46.917,24.69 -46.867,24.74 IC5B.2@-46.867,26.224
NetIC6A_3: IC6A.3 R12A.2
NetIC6A_7: IC6A.7 R11A.2
NetIC6B_3: IC6B.3 R12B.2
NetIC6B_7: IC6B.7 R11B.2
NetIC7A_5: IC7A.5 R3A.1 R46A.2 R48A.2 | length 4.9
  Top Layer w0.127: R46A.2@-57.55,38.45 -57.18,38.08 IC7A.5@-54.625,38.08
  Bottom Layer w0.127: v1(-55.905,38.075) -55.84,38.075 -55.765,38 R3A.1@-55.02,38 R48A.2@-55.02,37.05
NetIC7A_9: IC7A.9 R52A.1 R53A.2 R54A.2 | length 4.7
  Top Layer w0.127: IC7A.9@-49.225,36.81 -46.31,36.81 R53A.2@-46.175,36.675
  Bottom Layer w0.127: R54A.2@-48.78,37.889 R52A.1@-48.78,36.964 -48.318,36.964 v1(-48.158,36.805)
NetIC7A_11: IC7A.11 R55A.1 R56A.2 R57A.2 | length 5
  Top Layer w0.127: IC7A.11@-49.225,39.35 -47.935,39.35 -47.498,38.913 -46.538,38.913 R56A.2@-46.175,38.55
  Bottom Layer w0.127: R55A.1@-48.786,40.355 -48.786,39.388 R57A.2@-48.778,39.381 -48.195,39.381 v1(-48.158,39.345)
NetIC7B_5: IC7B.5 R3B.1 R46B.2 R48B.2 | length 5.1
  Top Layer w0.127: IC7B.5@-60.925,33.259 -58.284,33.259 R46B.2@-57.95,32.925
  Bottom Layer w0.127: R48B.2@-60.553,32.777 -60.548,32.782 R3B.1@-60.548,33.732 ; R3B.1@-60.548,33.752 R3B.1@-60.548,33.732 ; v1(-59.766,33.274) -60.071,33.274 -60.302,33.505 -60.322,33.505 R3B.1@-60.548,33.732
NetIC7B_9: IC7B.9 R52B.1 R53B.2 R54B.2 | length 5.4
  Top Layer w0.127: R53B.2@-69.375,34.95 -68.954,34.529 IC7B.9@-66.325,34.529
  Bottom Layer w0.127: v1(-67.412,34.544) -66.439,34.544 R52B.1@-66.277,34.382 R54B.2@-66.277,33.407
NetIC7B_11: IC7B.11 R55B.1 R56B.2 R57B.2 | length 4.7
  Top Layer w0.127: R56B.2@-69.325,31.975 -66.339,31.975 IC7B.11@-66.325,31.989
  Bottom Layer w0.127: v1(-67.513,31.979) -67.265,31.731 -67.265,31.337 R57B.2@-67.247,31.318 R55B.1@-67.247,30.353
NetIC8A_2: IC8A.2 R26A.2 | length 1.4
  Top Layer w0.127: IC8A.2@-58.175,52.912 -58.175,54.28 R26A.2@-58.149,54.305
NetIC8B_2: IC8B.2 R26B.2 | length 1.4
  Bottom Layer w0.254: R26B.2@-60.842,21.61 -60.782,21.669 IC8B.2@-60.782,22.983
NetIC9A_3: IC9A.3 R73A.2
NetIC9B_3: IC9B.3 R73B.2
NetIC12A_2: IC12A.2 R27A.2 | length 1.2
  Top Layer w0.127: IC12A.2@-11.5,70.4 -11.5,71.605 R27A.2@-11.475,71.63
NetIC12B_2: IC12B.2 R27B.2
NetIC13A_10: IC13A.10 R42A.1
NetIC13B_10: IC13B.10 R42B.1
NetIC16A_3: IC16A.3 R14A.1
NetIC16A_5: IC16A.5 R67A.1
NetIC16A_7: IC16A.7 R16A.1
NetIC16B_3: IC16B.3 R14B.1
NetIC16B_5: IC16B.5 R67B.1
NetIC16B_7: IC16B.7 R16B.1
NetIC22A_3: IC22A.3 R118A.1
NetIC22B_3: IC22B.3 R118B.1
NetIC31A_21: IC31A.21 R141A.2 | length 22.1
  Top Layer w0.127: v1(-3.48,86.766) -2.459,86.766 IC31A.21@-2.45,86.775
  L4 w0.127: -13.868,73.787 -13.538,74.117 -8.23,74.117 -7.264,75.083 -7.264,84.074 -4.572,86.766 v1(-3.48,86.766)